# Altium PCB 2.0_LCD.PcbDoc
Units mm, origin at the board's own origin, x right, y up, seen from the top; angles counter-clockwise.
Board outline 38 x 55.63 mm, 2 copper layers (Top Layer, Bottom Layer); 19 components, 27 nets, 91 pads, 121 vias.
Unrouted connection lines stored in the file: 18.
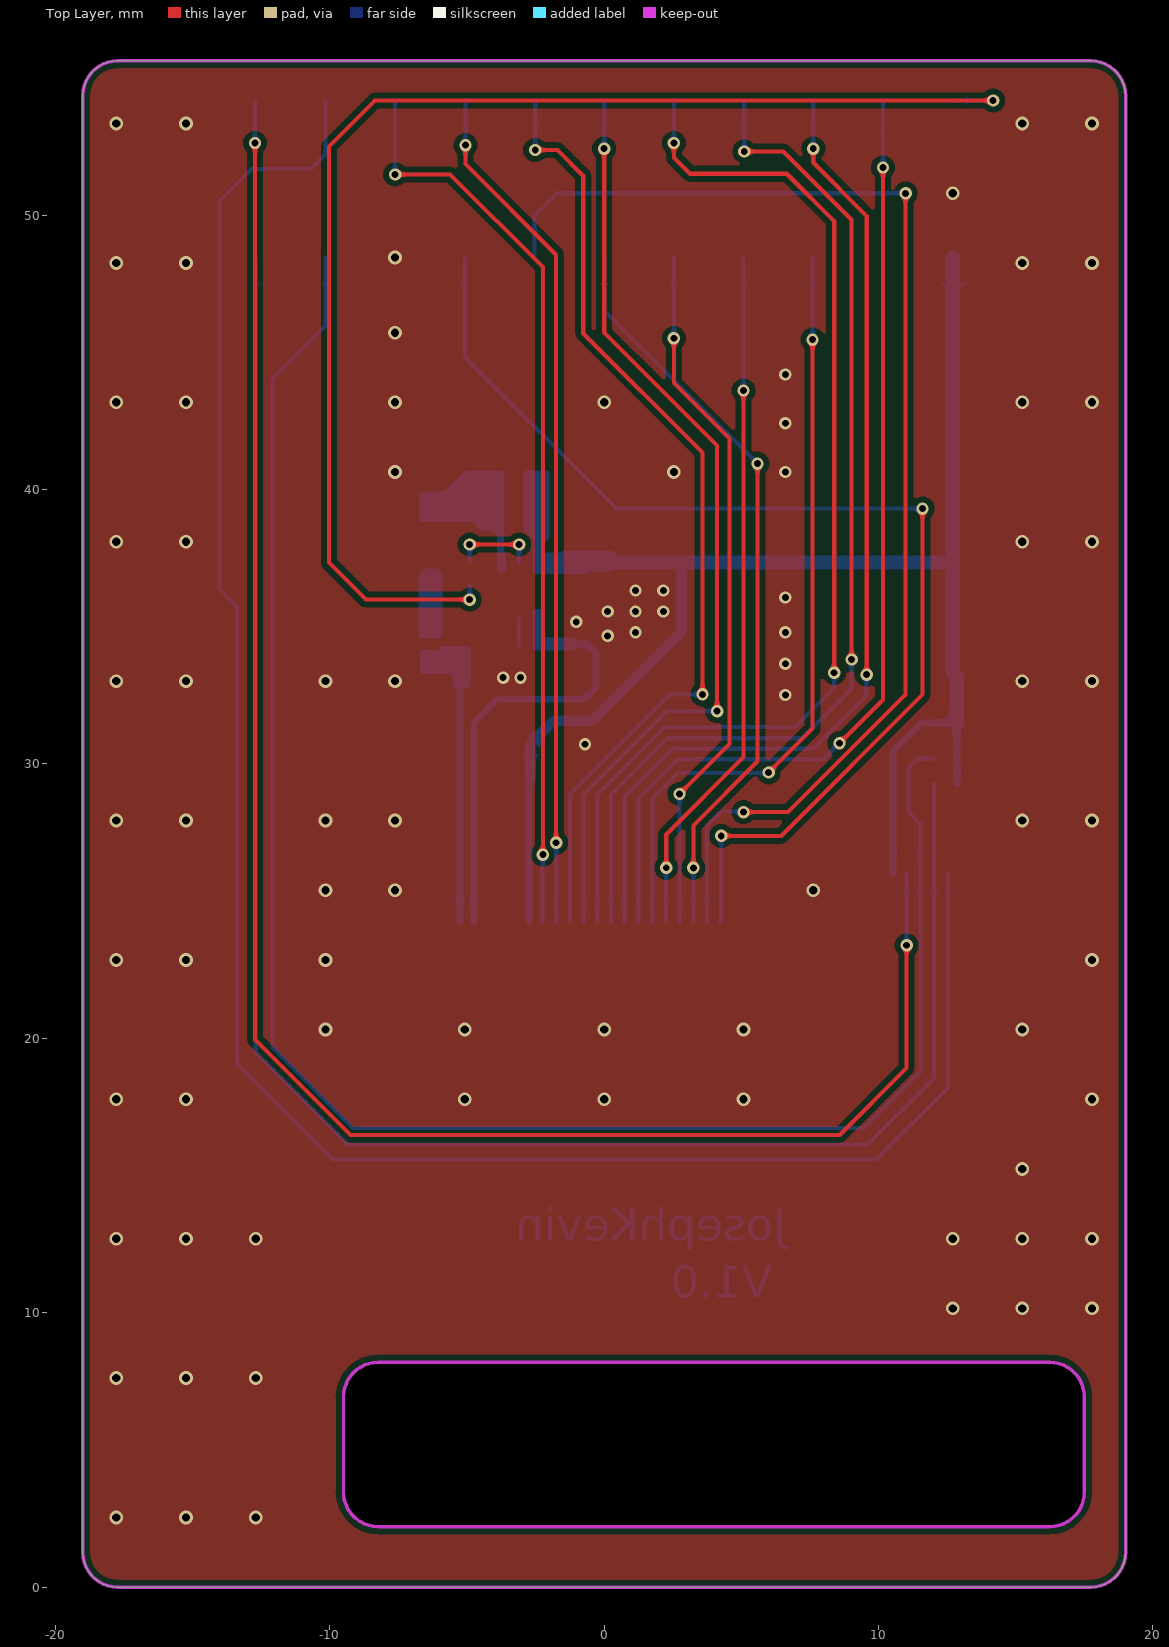
[diagram p0: Top Layer view]
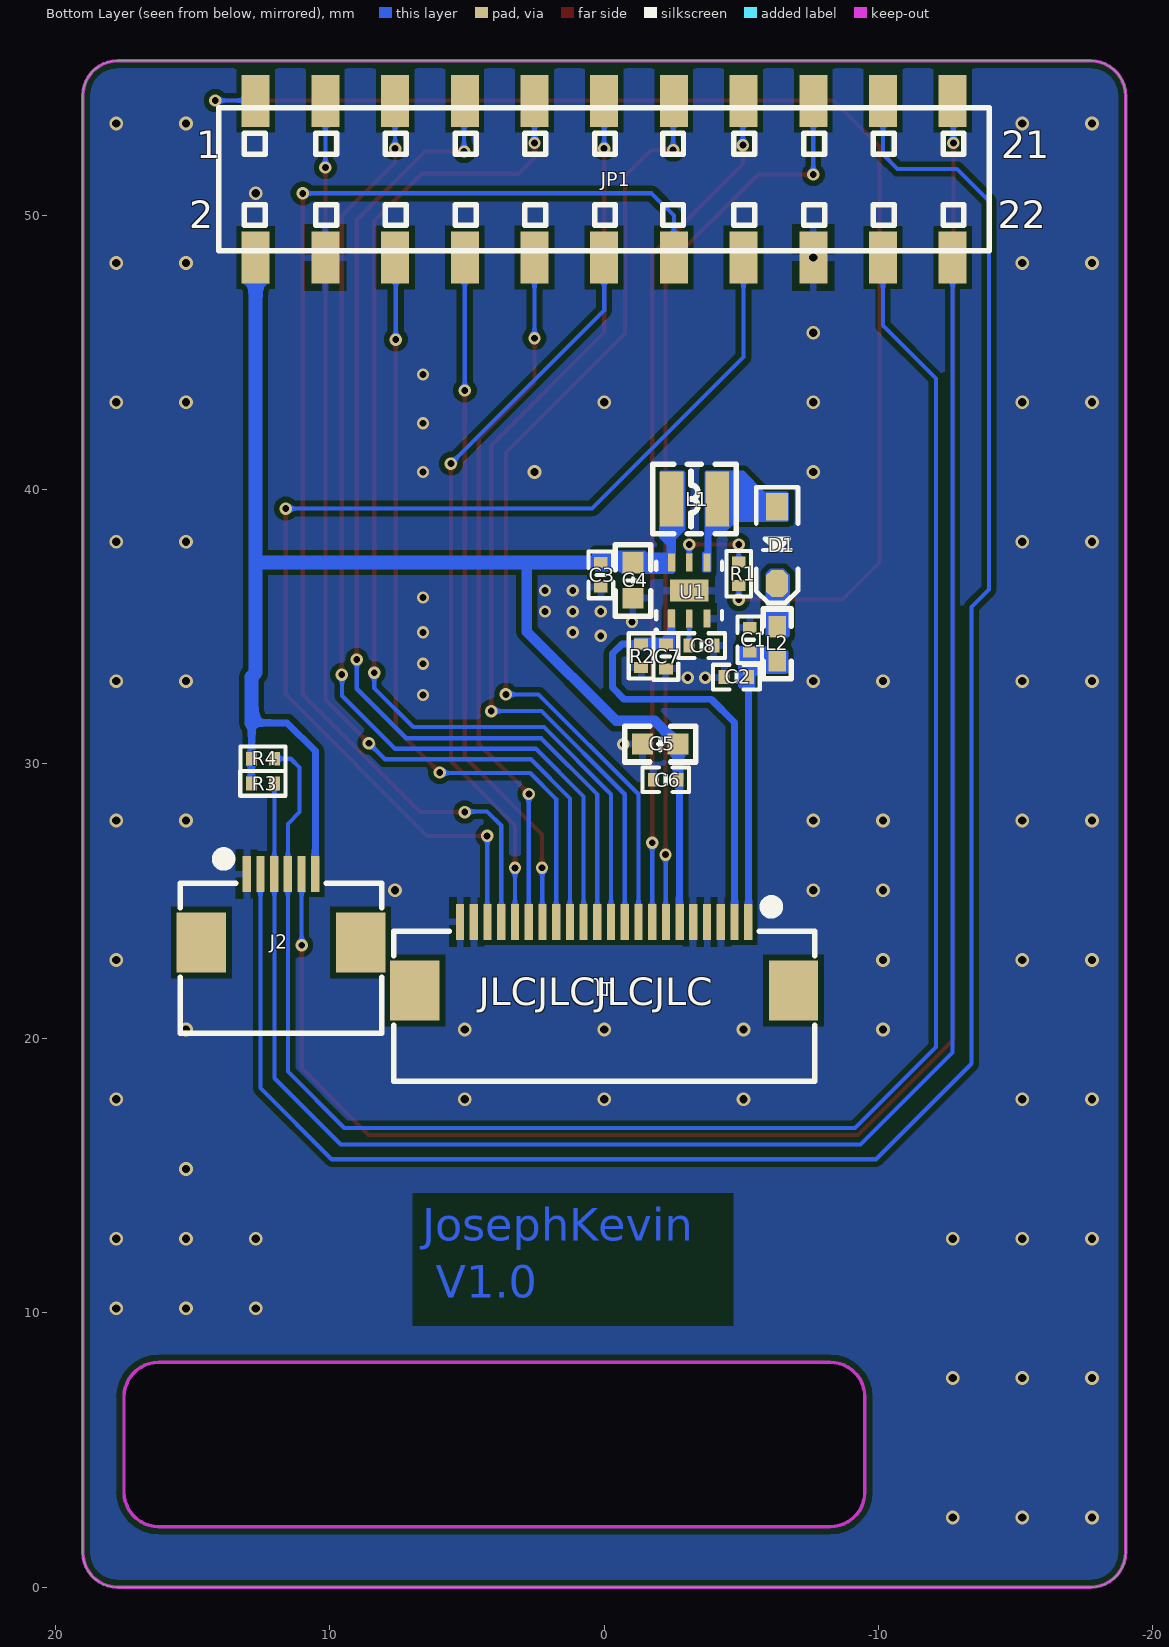
[diagram p1: Bottom Layer view, seen from below]

## Layer stack, top to bottom
Top Solder: solder mask 0.0102, Solder Resist, Dk 3.5
Top Layer: signal copper 0.0356
Dielectric 1: dielectric 0.32, FR-4, Dk 4.8
Bottom Layer: signal copper 0.0356
Bottom Solder: solder mask 0.0102, Solder Resist, Dk 3.5

## Board outline
-19,1.27 -19,54.356 cw(c-17.73,54.356) -17.73,55.626 17.73,55.626 cw(c17.73,54.356) 19,54.356 19,1.27 cw(c17.73,1.27) 17.73,0 -17.73,0 cw(c-17.73,1.27)
cut-out: -9.5,3.47 -9.5,6.93 cw(c-8.23,6.93) -8.23,8.2 16.23,8.2 cw(c16.23,6.93) 17.5,6.93 17.5,3.47 cw(c16.23,3.47) 16.23,2.2 -8.23,2.2 cw(c-8.23,3.47)

## Design rules (kind name [scope] priority, off if disabled: settings)
Clearance InPolygon [InPolygon] p1: gap=0.203 ignorepadtopadclearanceinfootprint=TRUE
Clearance [All] p2: gap=0.152 ignorepadtopadclearanceinfootprint=FALSE
HoleToHoleClearance [All] p1: gap=0.051 allowstackedmicrovias=TRUE
MinimumSolderMaskSliver [All] p1: minsoldermaskwidth=0
PolygonConnect [All] p1: thpad.connectstyle=Relief thpad.reliefconductorwidth=0.254 thpad.reliefentries=4 thpad.polygonreliefangle="90 Angle" thpad.airgapwidth=0.254 smdpad.connectstyle=Relief smdpad.reliefconductorwidth=0.254 smdpad.reliefentries=4 smdpad.polygonreliefangle="90 Angle" smdpad.airgapwidth=0.254 via.connectstyle=Direct via.reliefconductorwidth=0.254 via.reliefentries=4 via.polygonreliefangle="90 Angle" via.airgapwidth=0.254
RoutingVias [All] p1: holewidth=0.25 width=0.45 viastyle="Through Hole" minholewidth=0.25 minwidth=0.45 maxholewidth=0.4 maxwidth=0.6
SilkToSilkClearance [All] p1: silktosilkclearance=0
SilkToSolderMaskClearance [IsPad] p1: minsilkscreentomaskgap=0 clearancetoexposedcopper=TRUE
SolderMaskExpansion [IsVia] p1: expansion=0.102 istentingtop=TRUE useseparateexpansions=TRUE expansionbottom=0.102 istentingbottom=TRUE
UnRoutedNet [All] p1: checkbadconnections=TRUE
Width [All] p1: maxlimit=0.508 minlimit=0.152 preferedwidth=0.152
25 further rules are at their usual default settings.

## Components (designator, comment, footprint, x,y, rotation, side; value= is the part's Value field where it differs from the comment)
C1 "1uF/50V" C0402_L -5.304,34.529 r270 bottom
C2 "33pF/50V" C0402_L -4.819,33.169 r180 bottom
C3 "0.1uF" C0402_L 0.122,36.892 r90 bottom
C4 "10uF" C0603_L -1.05,36.691 r90 bottom
C5 "4.7uF" C0603_L -2.042,30.724 r180 bottom
C6 "0.1uF" C0402_L -2.244,29.425 r180 bottom
C7 "0.1uF" C0402_L -2.25,33.92 r90 bottom
C8 "47nF" C0402_L -3.549,34.315 r0 bottom
D1 "B5919WS" SOD-323 -6.305,37.979 r270 bottom
J1 "0.5mmFPC" FPC0.5-WT-22P 0,21.746 r0 bottom locked
J2 "Touch" FPC0.5-WT-6P 11.778,23.492 r180 bottom locked
JP1 "Header 2X11" HDR2.54-M-LS-2x11P 0,51.308 r180 bottom
L1 "10uH/0.82A" NR2520 -3.291,39.658 r180 bottom
L2 "80R/100MHz" L0402 -6.304,34.379 r270 bottom
R1 "10K" R0402_L -4.902,36.932 r90 bottom
R2 "10R" R0402_L -1.346,33.94 r90 bottom
R3 "4.7K" R0402_L 12.435,29.292 r180 bottom
R4 "4.7K" R0402_L 12.435,30.192 r180 bottom
U1 "AW9962" TDFN2x2-6_L -3.099,36.322 r90 bottom

## Footprints (in the part's own frame and the unit in brackets; to place one, negate y for a bottom-side part, rotate by r counter-clockwise, add the part's x,y. Pads: shape width x height; smd on the part's side, far side on the other; paste and mask are expansions set on the pad)
C0402_L [mm] "无极性贴片电容"
  rect 0.4x0.5 smd: 1(-0.45,0) 2(0.45,0)
  silkscreen extent -0.85,-0.45 0.85,0.45, body extent -0.5,-0.26 0.5,0.26, height 0.54
C0603_L [mil] "无极性贴片电容"
  rect 30x30 smd: 1(-25.59,0) 2(25.59,0)
  silkscreen extent -51,-26 51,26, body extent -31,-16 32,16, height 33
FPC0.5-WT-6P [mm] "长：7.2mm，宽：5.2mm，高：2mm               黄晶宝石"
  rect 1.8x2.2 smd: 0(-2.9,0) 0(2.9,0)
  rect 0.3x1.3 smd: 1(-1.25,2.497) 2(-0.75,2.497) 3(-0.25,2.497) 4(0.25,2.497) 5(0.75,2.497) 6(1.25,2.497)
  silkscreen extent -3.67,-3.3 3.67,3.23, body extent -3.6,-3.15 3.6,2.85, height 2
FPC0.5-WT-22P [mm] "长：15.2mm，宽：5.2mm，高：2mm 淘宝ID:黄晶宝石   店铺网址:https://shop463601444.taobao.com"
  rect 1.8x2.2 smd: 0(-6.9,0) 0(6.9,0)
  rect 0.3x1.3 smd: 1(-5.25,-2.497) 2(-4.75,-2.497) 3(-4.25,-2.497) 4(-3.75,-2.497) 5(-3.25,-2.497) 6(-2.75,-2.497) 7(-2.25,-2.497) 8(-1.75,-2.497) 9(-1.25,-2.497) 10(-0.75,-2.497) 11(-0.25,-2.497) 12(0.25,-2.497) 13(0.75,-2.497) 14(1.25,-2.497) 15(1.75,-2.497) 16(2.25,-2.497) 17(2.75,-2.497) 18(3.25,-2.497) 19(3.75,-2.497) 20(4.25,-2.497) 21(4.75,-2.497) 22(5.25,-2.497)
  silkscreen extent -7.68,-3.23 7.68,3.3, body extent -7.6,-2.85 7.6,3.15, height 2
HDR2.54-M-LS-2x11P [mm] "脚距：2.54mm，贴片双排母"
  rect 1.02x1.9 smd: 1(-12.7,2.85) 2(-12.7,-2.85) 3(-10.16,2.85) 4(-10.16,-2.85) 5(-7.62,2.85) 6(-7.62,-2.85) 7(-5.08,2.85) 8(-5.08,-2.85) 9(-2.54,2.85) 10(-2.54,-2.85) 11(0,2.85) 12(0,-2.85) 13(2.54,2.85) 14(2.54,-2.85) 15(5.08,2.85) 16(5.08,-2.85) 17(7.62,2.85) 18(7.62,-2.85) 19(10.16,2.85) 20(10.16,-2.85) 21(12.7,2.85) 22(12.7,-2.85)
  silkscreen extent -14.04,-2.6 14.03,2.6, body extent -14,-3.2 14,3.2, height 5.15
L0402 [mil] "小功率贴片电感"
  rect 30x25 smd: 1(-25,0) 2(25,0)
  silkscreen extent -50,-20 50,20, body extent -20,-10 20,10, height 20
NR2520 [mm] "2.5mm*2.0mm*1.0mm(长*宽*高）"
  rect 0.85x2 smd: 1(-0.825,0) 2(0.825,0)
  silkscreen extent -1.52,-1.27 1.52,1.27, body extent -1.25,-1 1.25,1, height 1.12
R0402_L [mm] "1/16W贴片电阻"
  rect 0.4x0.5 smd: 1(-0.425,0) 2(0.425,0)
  silkscreen extent -0.82,-0.45 0.83,0.45, body extent -0.5,-0.25 0.5,0.25, height 0.3
SOD-323 [mm] "1.8x1.3X0.9mm（长宽高，不包括引脚）"
  rect 1x0.8 smd: 1(-1.4,0)
  oct 1x0.8 smd: 2(1.4,0)
  silkscreen extent -2.11,-0.76 2.11,0.76, body extent -1.32,-0.65 1.32,0.65, height 0.95
TDFN2x2-6_L [mm]
  rect 0.65x0.25 smd: 1(-1.025,0.65) 2(-1.025,0) 3(-1.025,-0.65) 4(1.025,-0.65) 5(1.025,0) 6(1.025,0.65)
  rect 0.8x1.4 smd: 7(0,0)
  silkscreen extent -1.5,-1.2 1.05,1.25, body extent -1.15,-1.05 1.15,1.05, height 0.8

## Part data
C1 C2 C3 C4 C5 C6 C7 C8: library part C, "贴片电容", BOM名称=无极性贴片电容, 联系卖家，免费查找封装=唯一出售店铺网址https://shop463601444.taobao.com
D1: library part 1N5819, "肖特基二极管", BOM名称=肖特基二极管, 联系卖家，免费查找封装=唯一出售店铺网址https://shop463601444.taobao.com
J1: library part 中景园2.0寸屏幕FPC接口
J2: library part 深圳市大显伟业2.0寸触摸屏
JP1: library part "Header 11X2", "11*2P接插件", BOM名称=11*2P接插件, 封装库来自淘宝卖家 ID：黄晶宝石=其他店铺购入均为盗版假冒封装库, 联系卖家，免费查找封装=唯一出售店铺网址https://shop463601444.taobao.com
L1: library part L-NR, "太诱-NR磁胶电感", BOM名称=NR磁胶电感, 联系卖家，免费查找封装=唯一出售店铺网址https://shop463601444.taobao.com
L2: library part L, "贴片小功率电感", BOM名称=小功率贴片电感, 联系卖家，免费查找封装=唯一出售店铺网址https://shop463601444.taobao.com
R1 R2 R3 R4: library part R, "贴片电阻", BOM名称=贴片电阻, 联系卖家，免费查找封装=唯一出售店铺网址https://shop463601444.taobao.com
U1: "调光的串联 WLED  驱动"

## Via types
v1: diameter 0.5, hole 0.3, Top Layer to Bottom Layer, tented both sides, 69 vias
v2: diameter 0.45, hole 0.25, Top Layer to Bottom Layer, tented both sides, 52 vias

## Nets (pads, with @x,y where several pads share a name; then routed paths per layer and width w, separated by ;. In a path a pad name is that pad's centre, name@x,y a point inside that pad or via, vN(x,y) a via of type N, cw(c..) or ccw(c..) an arc to the next point about the centre after c; other vN are vias at no path point)
CS: J1.18 JP1.12 | length 27.5
  Top Layer w0.152: v2(3.251,26.213) 3.251,27.762 5.588,30.099 v2(5.588,40.945)
  Bottom Layer w0.152: JP1.12 0,46.533 v2(5.588,40.945) ; J1.18@3.251,24.244 v2(3.251,26.213)
DB0: J1.14 JP1.3 | length 36.7
  Top Layer w0.152: v2(8.574,30.757) 10.16,32.343 v2(10.16,51.74)
  Bottom Layer w0.152: J1.14 1.25,28.747 2.674,30.171 7.988,30.171 v2(8.574,30.757) ; v2(10.16,51.74) JP1.3
DB1: J1.13 JP1.5 | length 37.4
  Top Layer w0.152: v2(7.62,52.426) 7.62,51.918 9.566,49.971 v2(9.566,33.257)
  Bottom Layer w0.152: J1.13 0.75,28.817 2.489,30.556 7.62,30.556 9.55,32.487 9.55,33.249 9.559,33.257 v2(9.566,33.257) ; v2(7.62,52.426) JP1.5
DB2: J1.12 JP1.7 | length 38.9
  Top Layer w0.152: v2(5.105,52.324) 6.528,52.324 9.017,49.835 v2(9.017,33.807)
  Bottom Layer w0.152: J1.12 0.25,28.891 2.296,30.937 7.214,30.937 9.017,32.741 v2(9.017,33.807) ; JP1.7 5.105,54.133 v2(5.105,52.324)
DB3: J1.11 JP1.9 | length 40.8
  Top Layer w0.152: v2(2.54,52.629) 2.54,52.095 3.124,51.511 6.655,51.511 8.382,49.784 v2(8.382,33.325)
  Bottom Layer w0.152: J1.11 -0.25,28.898 2.196,31.344 6.96,31.344 8.382,32.766 v2(8.382,33.325) ; v2(2.54,52.629) JP1.9
DB4: J1.10 JP1.11 | length 34.7
  Top Layer w0.152: v2(0,52.426) 0,45.72 4.115,41.605 v2(4.115,31.928)
  Bottom Layer w0.152: J1.10 -0.75,28.897 2.28,31.928 v2(4.115,31.928) ; v2(0,52.426) JP1.11
DB5: J1.9 JP1.13 | length 35.6
  Top Layer w0.152: v2(-2.515,52.375) -1.702,52.375 -0.762,51.435 -0.762,45.695 3.581,41.351 v2(3.581,32.537)
  Bottom Layer w0.152: JP1.13 -2.515,54.133 v2(-2.515,52.375) ; J1.9 -1.25,28.898 2.39,32.537 v2(3.581,32.537)
DB6: J1.8 JP1.15 | length 31.3
  Top Layer w0.152: v2(-5.055,52.553) -5.055,51.862 -1.753,48.56 v2(-1.753,27.127)
  Bottom Layer w0.152: JP1.15 -5.055,54.133 v2(-5.055,52.553) ; v2(-1.753,27.127) -1.75,27.125 J1.8
DB7: J1.7 JP1.17 | length 33.3
  Top Layer w0.152: v2(-7.62,51.486) -5.613,51.486 -2.235,48.108 v2(-2.235,26.695)
  Bottom Layer w0.152: v2(-7.62,51.486) JP1.17 ; J1.7 -2.243,24.25 -2.243,26.688 v2(-2.235,26.695)
GND: C1.1 C2.1 C3.1 C4.1 C5.1 C6.1 C7.1 C8.1 J1.3 J1.4 J1.5 J1.21 J1.22 J2.1 JP1.4 JP1.18 R2.1 U1.3 U1.7
  other v1: -17.78,2.54 -15.24,2.54 -12.7,2.54 -17.78,7.62 -15.24,7.62 -12.7,7.62 12.7,10.16 15.24,10.16 17.78,10.16 -17.78,12.7 -15.24,12.7 -12.7,12.7 12.7,12.7 15.24,12.7 17.78,12.7 15.24,15.24 -17.78,17.78 -15.24,17.78 -5.08,17.78 0,17.78 5.08,17.78 17.78,17.78 -10.16,20.32 -5.08,20.32 0,20.32 5.08,20.32 15.24,20.32 -17.78,22.86 -15.24,22.86 -10.16,22.86 17.78,22.86 -10.16,25.4 -7.62,25.4 7.62,25.4 -17.78,27.94 -15.24,27.94 -10.16,27.94 -7.62,27.94 15.24,27.94 17.78,27.94 -17.78,33.02 -15.24,33.02 -10.16,33.02 -7.62,33.02 15.24,33.02 17.78,33.02 -17.78,38.1 -15.24,38.1 15.24,38.1 17.78,38.1 -7.62,40.64 2.54,40.64 -17.78,43.18 -15.24,43.18 -7.62,43.18 0,43.18 15.24,43.18 17.78,43.18 -7.62,45.72 -17.78,48.26 -15.24,48.26 15.24,48.26 17.78,48.26 -7.62,48.458 12.7,50.8 -17.78,53.34 -15.24,53.34 15.24,53.34 17.78,53.34
  other v2: -0.697,30.719 6.604,32.512 -3.683,33.147 -3.048,33.147 6.604,33.655 0.127,34.671 1.143,34.798 6.604,34.798 -1.016,35.179 0.127,35.56 1.143,35.56 2.159,35.56 6.604,36.068 1.143,36.322 2.159,36.322 6.604,40.64 6.604,42.418 6.604,44.196
LCD_PWM: JP1.1 R1.1 | length 47.7
  Top Layer w0.152: v2(-4.902,35.992) -8.687,35.992 -10.033,37.338 -10.033,52.502 -8.357,54.178 v2(14.173,54.178)
  Bottom Layer w0.152: v2(-4.902,35.992) R1.1 ; JP1.1 12.72,54.178 v2(14.173,54.178)
NetC8_2: C8.2 U1.2 | length 1
  Bottom Layer w0.152: C8.2 U1.2
NetD1_1: D1.1 L1.2 U1.4
NetD1_2: D1.2 L2.1
NetR1_2: R1.2 U1.5 | length 3.1
  Top Layer w0.152: v2(-4.902,37.998) v2(-3.099,37.998)
  Bottom Layer w0.152: R1.2 v2(-4.902,37.998) ; U1.5 v2(-3.099,37.998)
RD: J1.15 JP1.6 | length 28.6
  Top Layer w0.152: v2(5.994,29.693) 7.595,31.293 v2(7.595,45.466)
  Bottom Layer w0.152: J1.15 1.75,28.724 2.693,29.667 5.969,29.667 v2(5.994,29.693) ; v2(7.595,45.466) 7.595,48.433 JP1.6
RES: J1.20 JP1.16 | length 42
  Top Layer w0.152: v2(4.267,27.381) 6.452,27.381 11.603,32.532 v2(11.603,39.307)
  Bottom Layer w0.152: JP1.16 -5.08,44.831 0.444,39.307 v2(11.603,39.307) ; J1.20 4.259,24.252 4.259,27.373 v2(4.267,27.381)
RS: J1.17 JP1.10 | length 25.8
  Top Layer w0.152: v2(2.54,45.517) 2.54,43.891 4.572,41.859 4.572,30.734 v2(2.743,28.905)
  Bottom Layer w0.152: v2(2.54,45.517) JP1.10 ; v2(2.743,28.905) 2.75,28.898 J1.17
TE: J1.19 JP1.14 | length 46.4
  Top Layer w0.152: v2(5.08,28.245) 6.703,28.245 10.984,32.526 10.984,50.794 v2(10.988,50.797)
  Bottom Layer w0.152: JP1.14 -2.54,49.987 -1.73,50.797 v2(10.988,50.797) ; J1.19 3.75,27.753 4.267,28.27 5.055,28.27 v2(5.08,28.245)
Touch_INT: J2.5 JP1.21 | length 67.5
  Top Layer w0.152: v2(-12.725,52.629) -12.725,19.964 -9.246,16.485 8.585,16.485 11.024,18.923 v2(11.024,23.393)
  Bottom Layer w0.152: v2(-12.725,52.629) -12.725,54.133 JP1.21 ; v2(11.024,23.393) 11.026,23.396 11.026,25.987 J2.5
Touch_RST: J2.2 JP1.19 | length 74.4
  Bottom Layer w0.152: JP1.19 -10.16,52.222 -10.693,51.689 -12.852,51.689 -14.021,50.521 -14.021,36.36 -13.386,35.725 -13.386,19.075 -9.906,15.596 9.931,15.596 12.528,18.192 J2.2
Touch_SCL: J2.4 JP1.20 R4.2 | length 67.6
  Bottom Layer w0.152: JP1.20 -10.16,45.974 -12.09,44.044 -12.09,19.685 -9.144,16.739 9.474,16.739 11.528,18.792 J2.4 11.528,27.817 11.1,28.245 11.1,29.87 11.422,30.192 R4.2
Touch_SDA: J2.3 JP1.22 R3.2 | length 66.8
  Bottom Layer w0.152: JP1.22 -12.7,19.482 -9.347,16.129 9.601,16.129 12.019,18.547 J2.3@12.019,25.998 ; R3.2 12.019,29.283 J2.3@12.019,25.998 ; J2.3 J2.3@12.019,25.998
VCC_3V3: C3.2 C4.2 C5.2 C6.2 J1.6 J2.6 JP1.2 L1.1 R3.1 R4.1 U1.6 | length 55.3
  Bottom Layer w0.254: J1.6@-2.74,24.253 -2.74,29.378 C6.2 ; J2.6 10.528,30.467 11.557,31.496 12.852,31.496 12.852,30.2 R4.1 ; R3.1 R4.1
  Bottom Layer w0.381: C6.2@-2.693,29.425 C5.2 ; C5.2 -1.844,31.572 -0.436,31.572 2.819,34.827 2.819,37.317 2.794,37.342
  Bottom Layer w0.508: C3.2 2.794,37.342 12.696,37.342 12.7,37.346 ; JP1.2 12.7,37.346 ; 12.704,37.351 12.7,37.346 ; 12.852,31.496 12.852,33.172 12.7,33.325 12.7,37.346
VLED_A: C1.2 C2.2 J1.1 L2.2 | length 8.9
  Bottom Layer w0.254: C2.2 -5.26,33.16 -5.26,24.253 J1.1
VLED_K: C7.2 J1.2 R2.2 U1.1 | length 14.7
  Bottom Layer w0.254: J1.2 -4.75,31.511 -3.901,32.36 -0.726,32.36 -0.305,32.781 -0.305,34.026 -0.644,34.365 R2.2
WR: J1.16 JP1.8 | length 25.4
  Top Layer w0.152: v2(2.264,26.218) 2.264,27.435 5.08,30.251 v2(5.08,43.612)
  Bottom Layer w0.152: J1.16 2.257,24.25 2.257,26.211 v2(2.264,26.218) ; v2(5.08,43.612) JP1.8
pads on no net: J1.0 J2.0

## Polygon pours and split planes (outlines as drawn)
GND on Bottom Layer "GND_L02_P000" (solid, remove dead copper, pour order 0): -19.05,55.753 -19.05,-0.127 19.05,-0.127 19.05,55.753
GND on Top Layer "GND_L01_P001" (solid, remove dead copper, pour order 1): -19.05,55.753 -19.05,-0.127 19.05,-0.127 19.05,55.753

## Keep-outs
Keep-Out Layer:
  lines w0.127: -19,1.27 ccw(c-17.73,1.27) -17.73,0 17.73,0 ccw(c17.73,1.27) 19,1.27 19,6.604 19,54.356 ccw(c17.73,54.356) 17.73,55.626 -17.73,55.626 ccw(c-17.73,54.356) -19,54.356 -19,1.27 ; -9.5,3.47 ccw(c-8.23,3.47) -8.23,2.2 0,2.2 16.23,2.2 ccw(c16.23,3.47) 17.5,3.47 17.5,6.93 ccw(c16.23,6.93) 16.23,8.2 -8.23,8.2 ccw(c-8.23,6.93) -9.5,6.93 -9.5,3.47

## Other copper
Bottom Layer:
  pour cut-out: -4.699,9.525 -4.699,14.351 6.985,14.351 6.985,9.525
  region net VLED_A: -6.706,33.35 -6.706,34.087 -6.655,34.138 -6.071,34.138 -5.918,34.29 -4.912,34.29 -4.885,34.262 -4.885,32.825 -4.944,32.766 -5.436,32.766 -5.512,32.842 -5.512,33.172 -5.624,33.285 -6.64,33.285
  region net NetD1_2: -6.68,34.595 -6.756,34.671 -6.756,36.897 -6.537,37.117 -6.052,37.117 -5.893,36.957 -5.893,34.671 -5.969,34.595
  region net NetD1_1: -6.731,38.887 -6.731,39.875 -6.678,39.929 -5.842,39.929 -5.085,40.685 -3.703,40.685 -3.658,40.64 -3.658,38.583 -3.734,38.506 -4.475,38.506 -4.806,38.837 -6.68,38.837
  region net VLED_K: -2.594,34.217 -2.594,35.609 -2.567,35.636 -2.328,35.636 -2.296,35.604 -2.296,34.782 -2.106,34.592 -1.115,34.592 -1.071,34.548 -1.071,34.176 -1.11,34.138 -2.515,34.138
  region net VCC_3V3: -2.517,36.932 -2.601,37.016 -2.601,37.703 -1.565,37.703 -1.499,37.77 0.305,37.77 0.432,37.643 0.432,37.16 0.305,37.033 -0.533,37.033 -0.635,36.932
  region net VCC_3V3: -2.601,38.186 -2.946,38.532 -2.946,40.64 -2.896,40.691 -2.057,40.691 -2.007,40.64 -2.007,38.252 -2.285,37.974 -2.285,37.02 -2.315,36.99 -2.573,36.99 -2.601,37.018
  region net NetD1_1: -4.475,38.506 -4.572,38.603 -4.572,40.64 -4.521,40.691 -3.708,40.691 -3.658,40.64 -3.658,37.77 -3.581,37.694 -3.581,37.03 -3.616,36.995 -3.866,36.995 -3.903,37.032 -3.903,38.295 -4.115,38.506
  text "JosephKevin" at 6.628,12.227 h2.03
  text "V1.0" at 6.133,10.146 h2.03

## Silkscreen, mask and mechanical layers (free items; w line width, h text height)
Bottom Overlay:
  text "JLCJLCJLCJLC" at 4.572,21.209 h1.02
Bottom Solder:
  region: -4.699,9.525 -4.699,14.351 6.985,14.351 6.985,9.525
Mechanical 1:
  lines w0.127: -19,1.27 ccw(c-17.73,1.27) -17.73,0 17.73,0 ccw(c17.73,1.27) 19,1.27 19,6.604 19,54.356 ccw(c17.73,54.356) 17.73,55.626 -17.73,55.626 ccw(c-17.73,54.356) -19,54.356 -19,1.27 ; -9.5,3.47 ccw(c-8.23,3.47) -8.23,2.2 0,2.2 16.23,2.2 ccw(c16.23,3.47) 17.5,3.47 17.5,6.93 ccw(c16.23,6.93) 16.23,8.2 -8.23,8.2 ccw(c-8.23,6.93) -9.5,6.93 -9.5,3.47

## Text inside footprints (layer, text, board x,y; h text height)
JP1: Bottom Overlay "1" at 14.859,52.07 h1.02; Bottom Overlay "2" at 15.113,49.53 h1.02; Bottom Overlay "21" at -14.478,52.07 h1.02; Bottom Overlay "22" at -14.351,49.53 h1.02